# Altium PCB DesignProject_V1_1.PcbDoc (part 1 of 2)
Units mm, origin at the board's own origin, x right, y up, seen from the top; angles counter-clockwise.
Board outline 86.3 x 50.27 mm, 4 copper layers (Top Layer, MID 1, MID 2, Bottom Layer), stack 0.651 mm thick; 110 components, 93 nets, 452 pads, 167 vias.
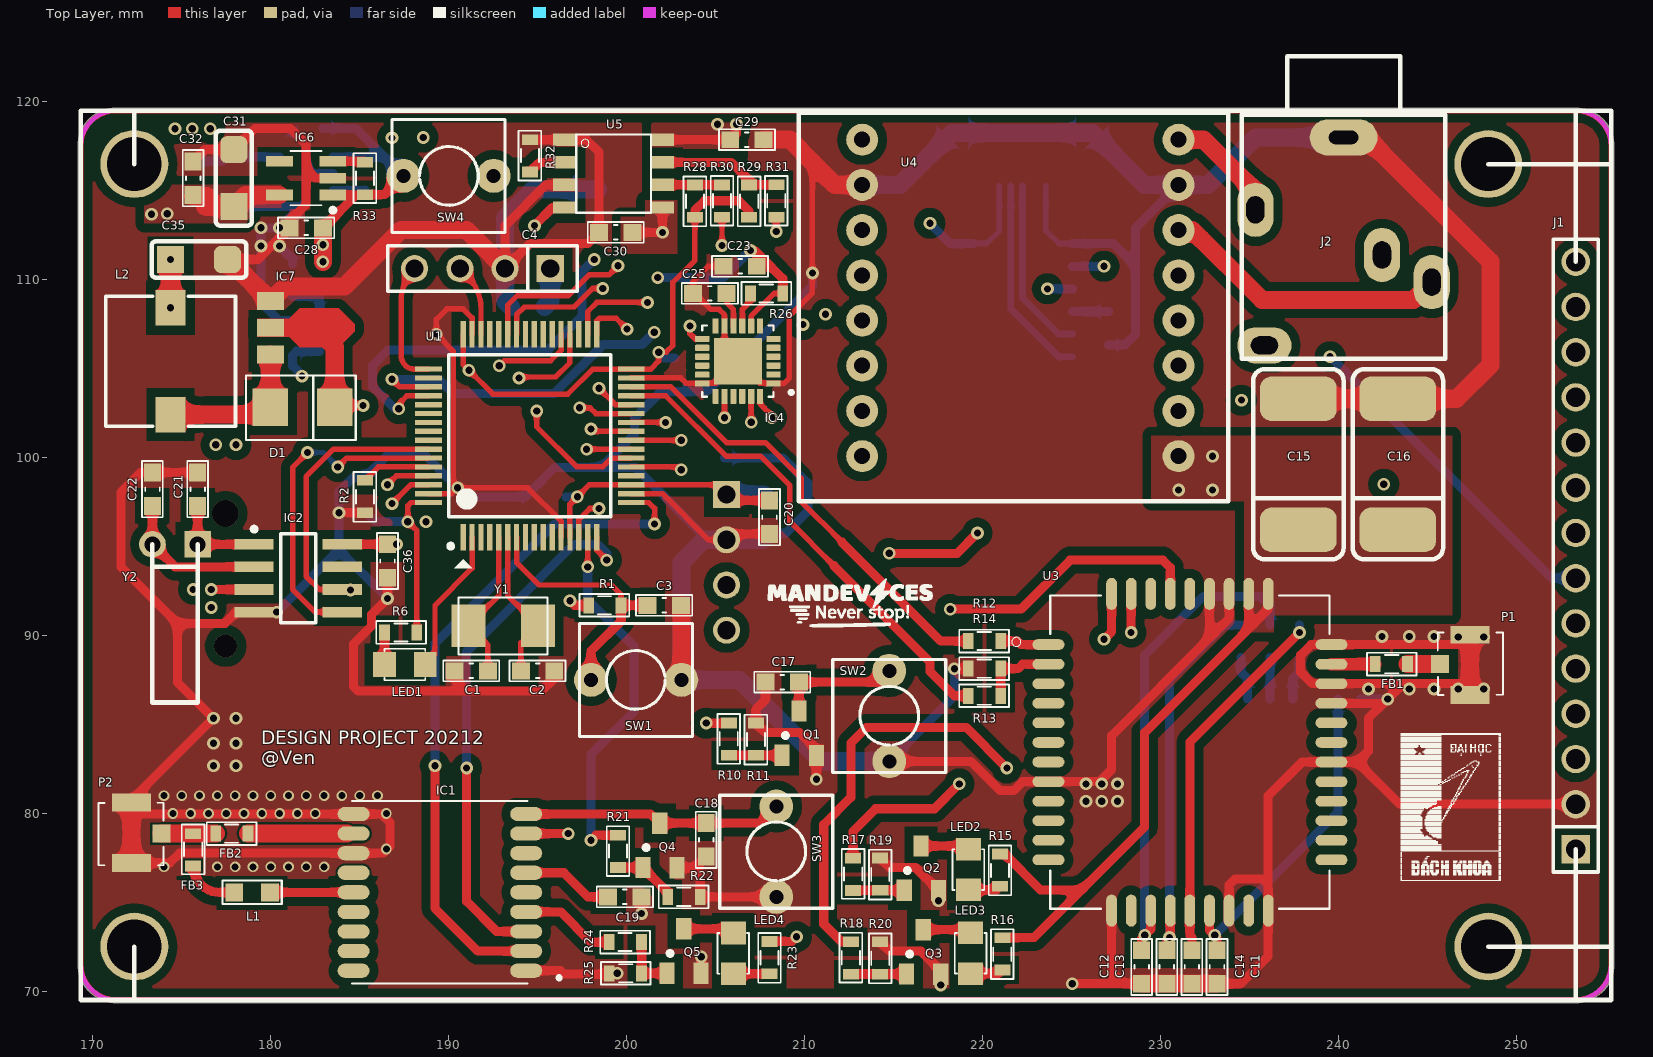
[diagram p0: Top Layer view]
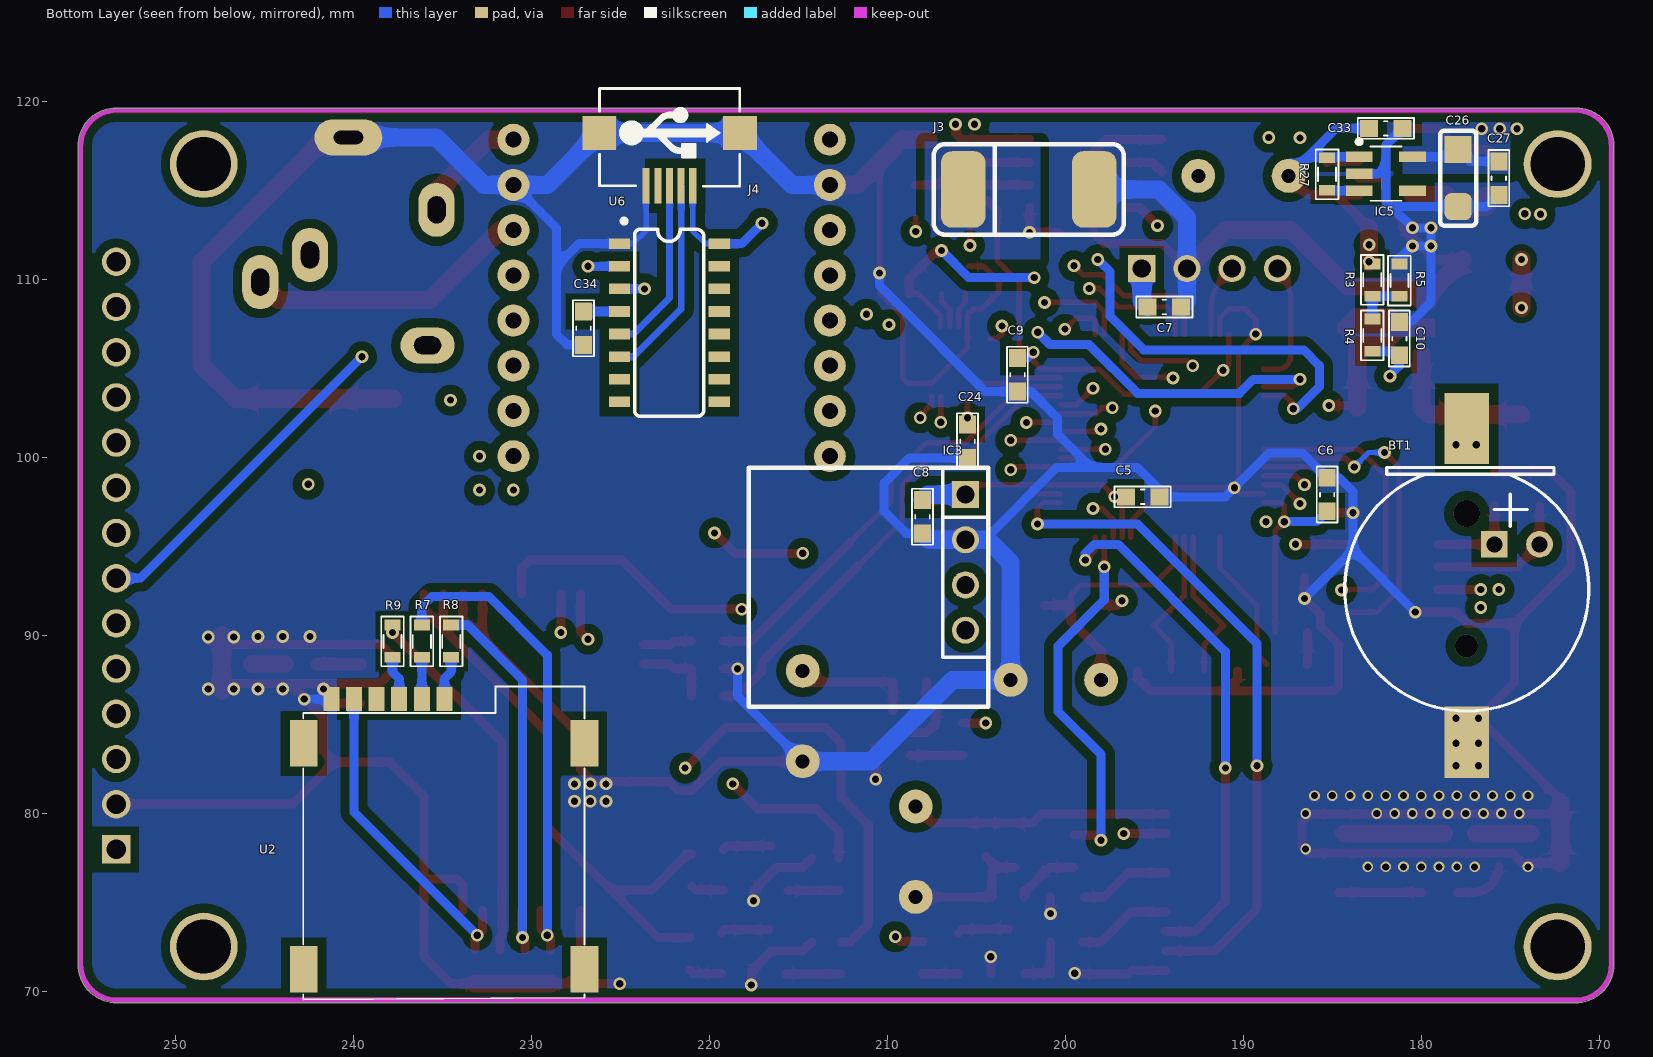
[diagram p1: Bottom Layer view, seen from below]
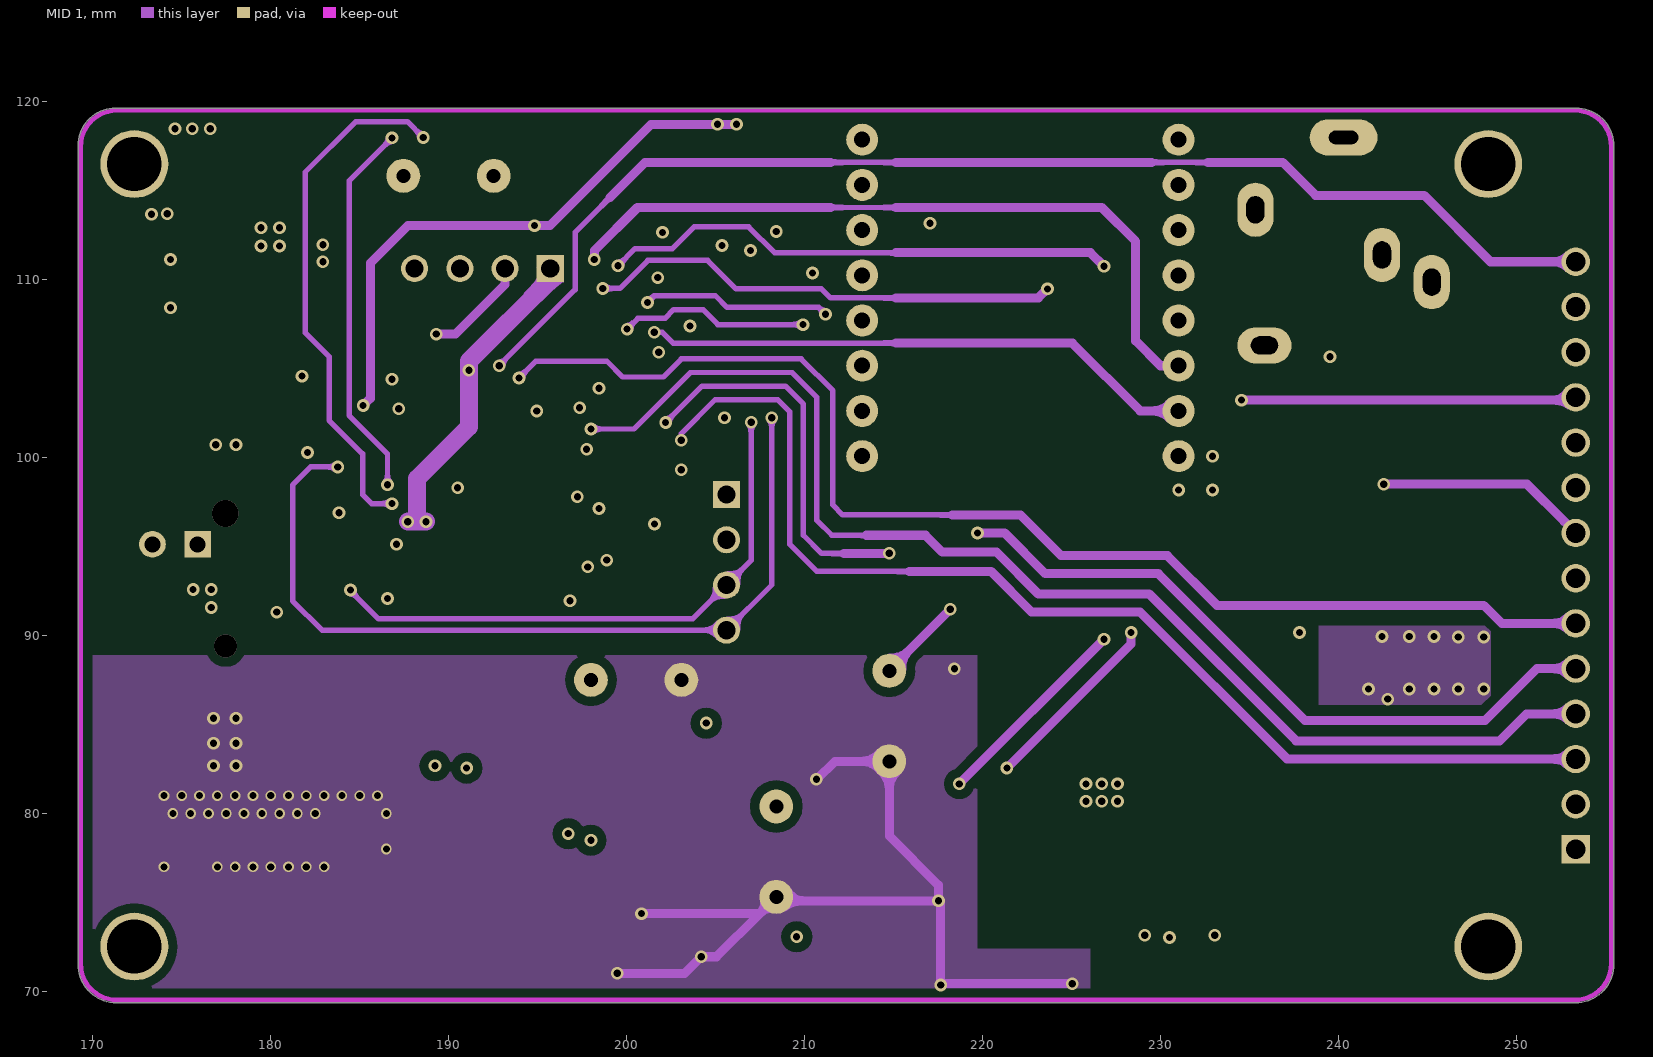
[diagram p2: MID 1]
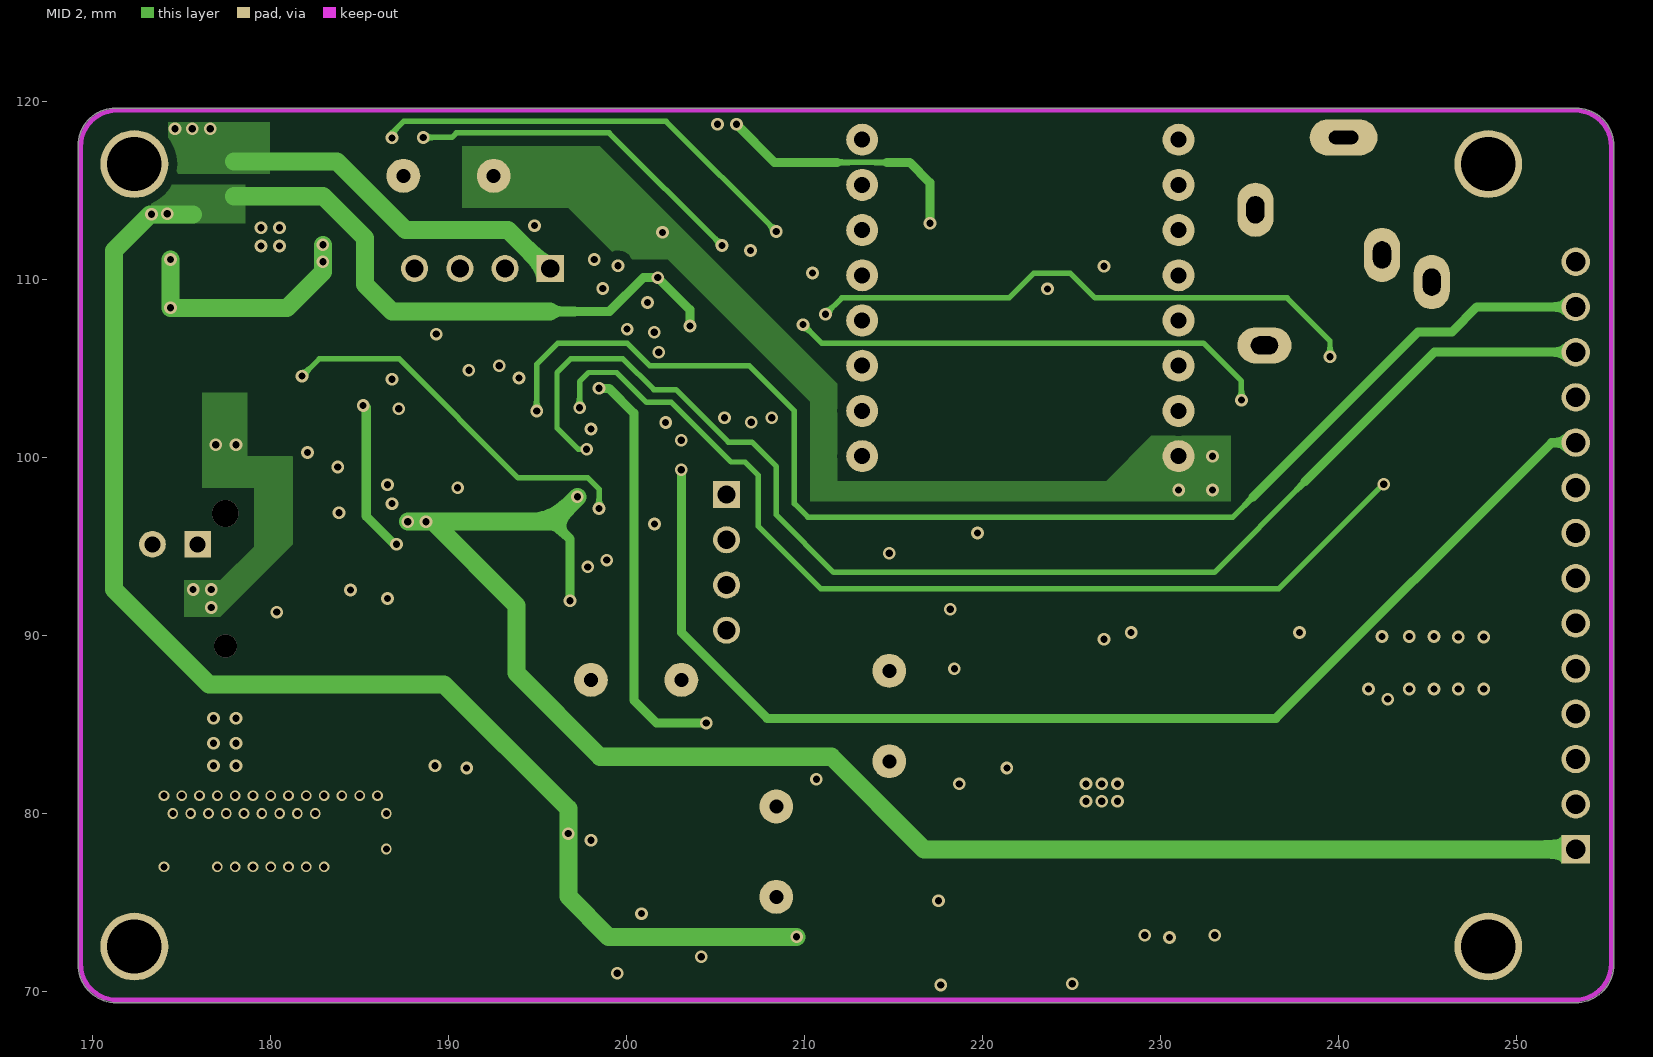
[diagram p3: MID 2]
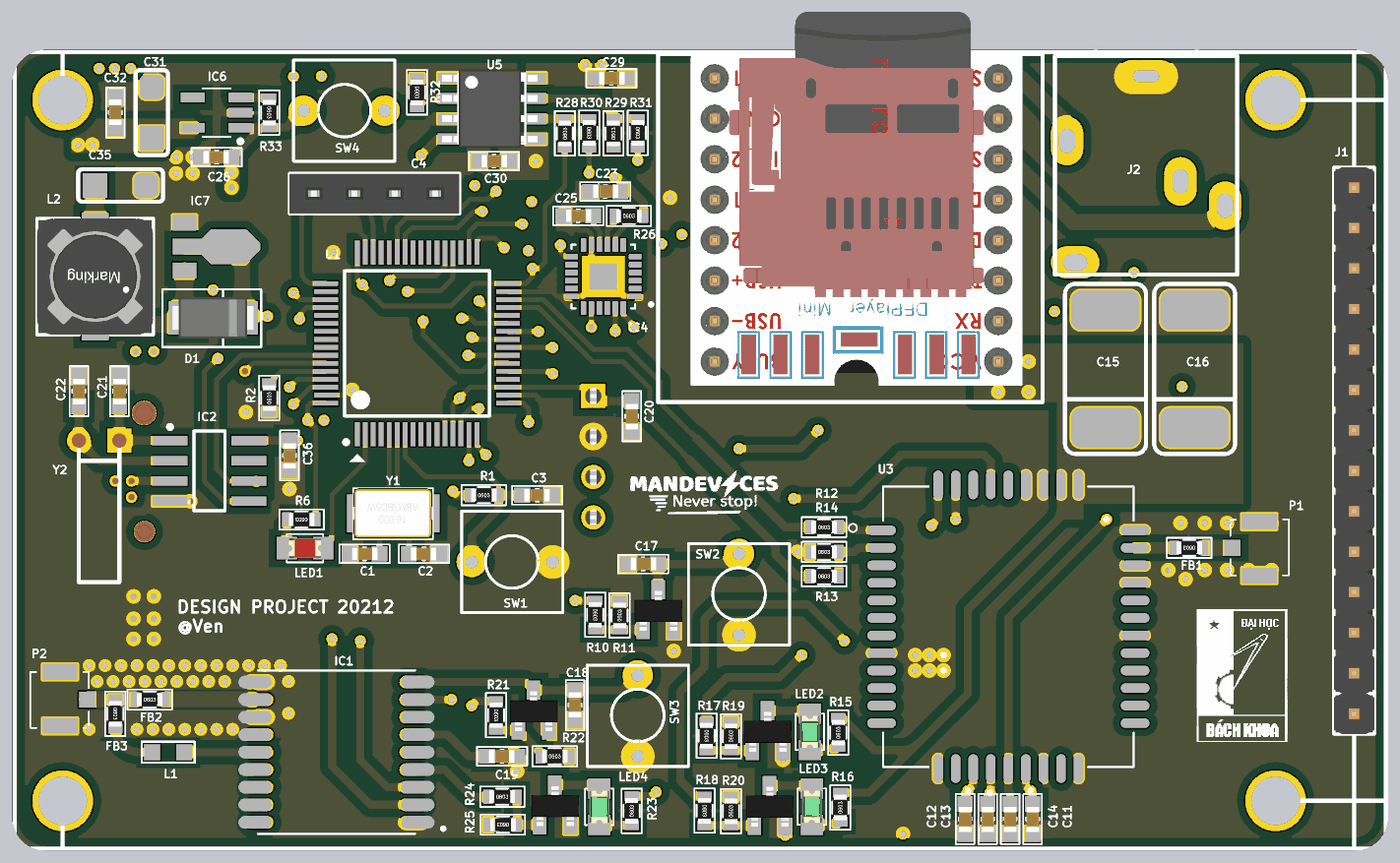
[diagram p5: 3D render of the assembled board from above, using the file's embedded part models]
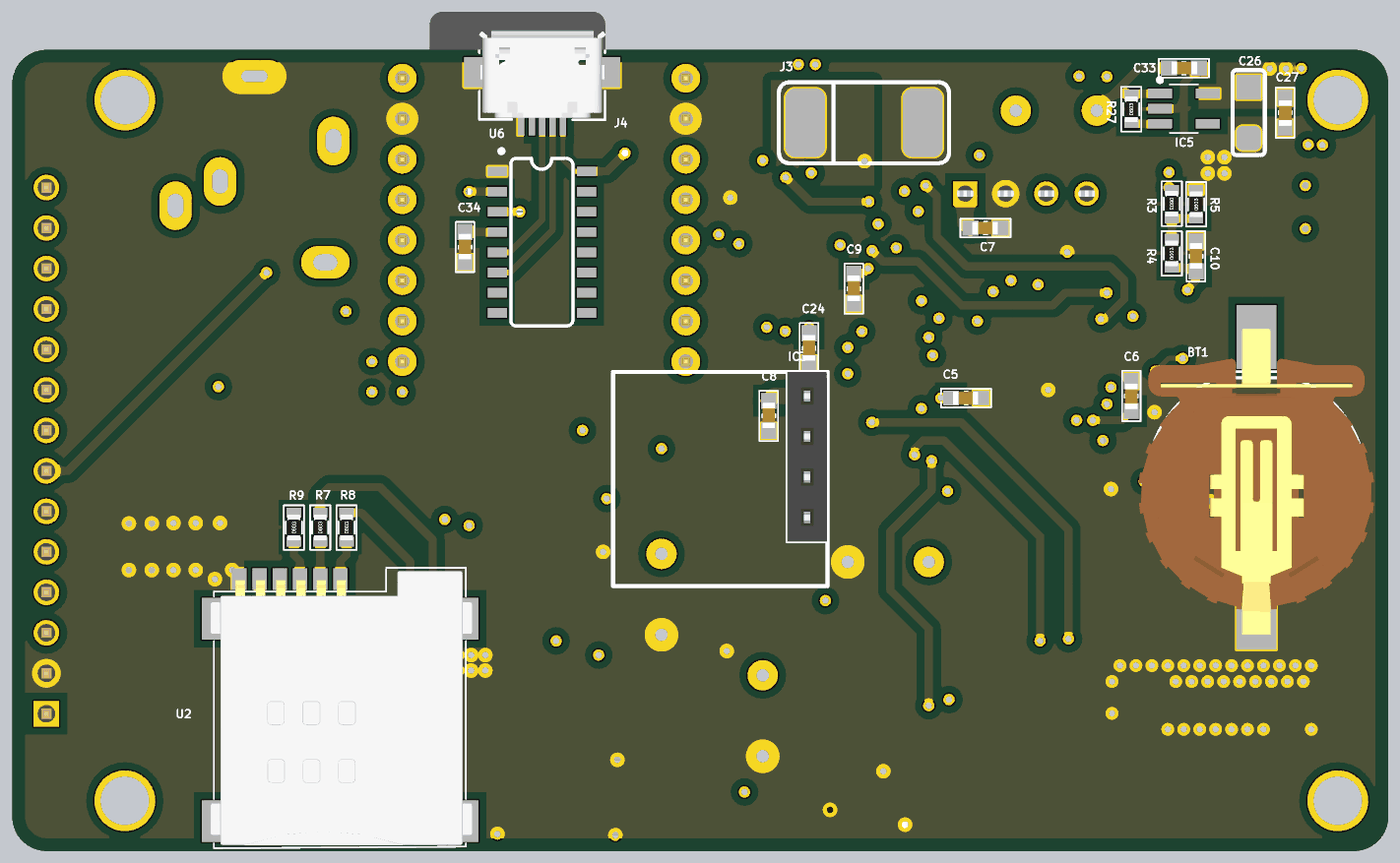
[diagram p6: 3D render of the assembled board from below, using the file's embedded part models]

## Layer stack, top to bottom
Top Solder: solder mask 0.0102, Solder Resist, Dk 3.5
Top Layer: signal copper 0.0356
Dielectric 1: prepreg 0.127, FR-4, Dk 4.2
MID 1: signal copper 0.036
Dielectric 3: core 0.254, FR-4, Dk 4.2
MID 2: signal copper 0.036
Dielectric 2: prepreg 0.127, FR-4, Dk 4.2
Bottom Layer: signal copper 0.0356
Bottom Solder: solder mask 0.0102, Solder Resist, Dk 3.5

## Board outline
169.176,71.514 169.176,117.526 cw(c171.285,117.526) 171.285,119.634 253.34,119.634 cw(c253.34,117.5) 255.474,117.5 255.474,71.526 cw(c253.314,71.526) 253.314,69.367 171.323,69.367 cw(c171.323,71.514)

## Design rules (kind name [scope] priority, off if disabled: settings)
Clearance Antena [InNamedPolygon('GND_L01_P030')] p1: gap=0.12 ignorepadtopadclearanceinfootprint=TRUE except(0: Arc-Text Arc-Hole Track-Text Track-Hole SMDPad-Text SMDPad-Hole THPad-Text THPad-Hole Via-Text Via-Hole Fill-Text Fill-Hole Poly-Text Poly-Hole Region-Text Region-Hole Text-Text Text-Hole) // Antena rule
Clearance [All] p2: gap=0.508 ignorepadtopadclearanceinfootprint=TRUE except(0: Arc-Text Arc-Hole Track-Text Track-Hole SMDPad-Text SMDPad-Hole THPad-Text THPad-Hole Via-Text Via-Hole Fill-Text Fill-Hole Poly-Text Poly-Hole Region-Text Region-Hole Text-Text Text-Hole; 0.16: Arc-Arc Arc-Track Arc-SMDPad Track-Track Track-SMDPad; 0.2: Arc-THPad Track-THPad; 0.254: Arc-Via Track-Via SMDPad-SMDPad SMDPad-THPad SMDPad-Via THPad-THPad THPad-Via Via-Via)
DiffPairsRouting [All] p1: maxlimit=0.254 minlimit=0.254 mostfreqgap=0.254 toplayer_minwidth=0.381 toplayer_maxwidth=0.381 toplayer_prefwidth=0.381 midlayer1_minwidth=0.381 midlayer1_maxwidth=0.381 midlayer1_prefwidth=0.381 midlayer2_minwidth=0.381 midlayer2_maxwidth=0.381 midlayer2_prefwidth=0.381 bottomlayer_minwidth=0.381 bottomlayer_maxwidth=0.381 bottomlayer_prefwidth=0.381 maxuncoupledlength=12.7
PolygonConnect [All] p1: connectstyle=Direct reliefconductorwidth=0.254 reliefentries=4 polygonreliefangle="90 Angle" airgapwidth=0.254
RoutingVias [All] p1: holewidth=0.406 width=0.711 viastyle="Through Hole" minholewidth=0.381 minwidth=0.508 maxholewidth=0.508 maxwidth=0.762
SolderMaskExpansion [All] p1: expansion=0.102
Width [All] p1: maxlimit=1.016 minlimit=0.305 preferedwidth=0.508
29 further rules are at their usual default settings.

## Classes and differential pairs
component class 07: C26 C27 C28 C29 C30 C31 C32 C33 C34 C35 C36 D1 IC5 IC6 IC7 J3 J4 L2 R27 R28 R29 R30 R31 R32 R33 SW4 U5 U6
component class 06: BT1 C20 C21 C22 C23 C24 C25 IC2 IC3 IC4 R26 Y2
component class 05: J2 U4
component class 04: C18 C19 FB2 FB3 IC1 L1 LED4 P2 Q4 Q5 R21 R22 R23 R24 R25 SW3
component class 03: C11 C12 C13 C14 C15 C16 C17 FB1 LED2 LED3 P1 Q1 Q2 Q3 R7 R8 R9 R10 R11 R12 R13 R14 R15 R16 R17 R18 R19 R20 SW2 U2 U3
component class 02: J1
component class 01: C1 C2 C3 C4 C5 C6 C7 C8 C9 C10 LED1 R1 R2 R3 R4 R5 R6 SW1 U1 Y1
differential pair D: +D_P -D_N

## Components (designator, comment, footprint, x,y, rotation, side; value= is the part's Value field where it differs from the comment)
BT1 "Battery3.3V" "CR1220 SMD" 177.673,92.964 r0 bottom
C1 "22pF" CAP_0603 191.267,88.011 r0 top value=33p
C2 "22pF" CAP_0603 194.996,88.011 r180 top value=33p
C3 "100nF" CAP_0603 202.108,91.694 r180 top value=33p
C4 "JP4" JP4-C1T 195.707,110.617 r180 top
C5 "100nF" CAP_0603 195.656,97.79 r0 bottom value=33p
C6 "100nF" CAP_0603 185.293,97.917 r270 bottom value=33p
C7 "100nF" CAP_0603 194.437,108.458 r0 bottom value=33p
C8 "100nF" CAP_0603 208.026,96.672 r90 bottom value=33p
C9 "100nF" CAP_0603 202.692,104.648 r90 bottom value=33p
C10 "10uF" CAP_0603 181.229,106.68 r90 bottom value=33p
C11 "100nF" CAP_0603 233.172,71.374 r270 top value=33p
C12 "22pF" CAP_0603 228.94,71.374 r270 top value=33p
C13 "22pF" CAP_0603 230.351,71.374 r270 top value=33p
C14 "22pF" CAP_0603 231.761,71.374 r270 top value=33p
C15 "470uF" CAP_7343 237.744,99.746 r90 top
C16 "470uF" CAP_7343 243.332,99.746 r90 top
C17 "100nF" CAP_0603 208.742,87.376 r0 top value=33p
C18 "100nF" CAP_0603 204.47,78.517 r90 top value=33p
C19 "100nF" CAP_0603 199.898,75.311 r180 top value=33p
C20 "100nF" CAP_0603 208.026,96.647 r270 top value=33p
C21 "10pF" CAP_0603 175.895,98.222 r270 top value=33p
C22 "10pF" CAP_0603 173.355,98.222 r270 top value=33p
C23 "100nF" CAP_0603 206.375,110.744 r0 top value=33p
C24 "2.2nF" CAP_0603 205.498,100.914 r90 bottom value=33p
C25 "100nF" CAP_0603 204.673,109.22 r0 top value=33p
C26 "220uF" CAP_TANTALUM_3216 177.927,115.697 r270 bottom
C27 "100nF" CAP_0603 175.641,115.697 r270 bottom value=33p
C28 "470nF" CAP_0603 181.991,112.903 r180 top value=33p
C29 "100nF" CAP_0603 206.756,117.856 r0 top value=33p
C30 "100nF" CAP_0603 199.39,112.649 r0 top value=33p
C31 "220uF" CAP_TANTALUM_3216 177.927,115.697 r90 top
C32 "100nF" CAP_0603 175.641,115.697 r90 top value=33p
C33 "470nF" CAP_0603 181.991,118.491 r180 bottom value=33p
C34 "100nF" CAP_0603 227.076,107.264 r90 bottom value=33p
C35 "220uF" CAP_TANTALUM_3216 175.971,111.125 r0 top
C36 "100nF" CAP_0603 186.563,94.183 r270 top value=33p
D1 "SS14" DO-214AC(SMA) 181.229,102.743 r180 top value=1N5007
FB1 "0R" RES-SMD-0603 242.989,88.389 r180 top
FB2 "0R" RES-SMD-0603 177.8,78.867 r0 top
FB3 "10R" RES-SMD-0603 175.641,77.978 r270 top
IC1 "GPS" L70 189.508,75.567 r180 top
IC2 "DS1307Z" SOIC-8 181.545,93.218 r0 top
IC3 "MAX30102" JP4-C1T 205.613,97.917 r270 bottom
IC4 "MPU6050" QFN24 206.248,105.41 r180 top
IC5 "RT9013" SOT23-5 181.991,115.945 r180 bottom
IC6 "RT9013" SOT23-5 181.991,115.697 r180 top
IC7 "Power IC" SOT-89-3 181.984,107.291 r270 top
J1 "JP14" JP14-D1T 253.332,77.978 r90 top
J2 "Jac Phone2" JAC_PHONE2 240.284,112.649 r0 top
J3 "CAP_TAN_SMD" CAP_7343 201.93,115.062 r180 bottom
J4 "USB-5" USB-M1 222.237,115.269 r180 bottom
L1 "150mH" L-0603 178.994,75.54 r0 top value="150 mH"
L2 "22uH" L-SMD-M-7.3x4.5 174.371,105.41 r0 top value="150 mH"
LED1 "LED" LED-0805-Red 186.395,88.369 r0 top value="LED 3 ly Single Colour"
LED2 "LED" LED-0805-Green 219.202,75.702 r90 top value="LED 3 ly Single Colour"
LED3 "LED" LED-0805-Green 219.329,71.003 r90 top value="LED 3 ly Single Colour"
LED4 "LED" LED-0805-Green 205.994,70.993 r90 top value="LED 3 ly Single Colour"
P1 "Antenna" IPXS 246.111,88.379 r180 top
P2 "Antenna" IPXS 173.448,78.877 r0 top
Q1 "2SC1815" SOT23 209.677,84.506 r0 top value=C1815
Q2 "2SC1815" SOT23 216.535,76.921 r0 top value=C1815
Q3 "2SC1815" SOT23 216.662,72.222 r0 top value=C1815
Q4 "2SC1815" SOT23 201.854,78.207 r0 top value=C1815
Q5 "2SC1815" SOT23 203.2,72.263 r0 top value=C1815
R1 "10k" RES-SMD-0603 198.755,91.694 r0 top
R2 "100k" RES-SMD-0603 185.293,97.79 r90 top
R3 "20k" RES-SMD-0603 182.753,109.982 r270 bottom
R4 "100R" RES-SMD-0603 182.753,106.859 r90 bottom
R5 "47k" RES-SMD-0603 181.229,109.944 r90 bottom
R6 "1k" RES-SMD-0603 187.322,90.17 r180 top
R7 "51R" RES-SMD-0603 236.158,89.662 r90 bottom
R8 "51R" RES-SMD-0603 234.507,89.662 r90 bottom
R9 "51R" RES-SMD-0603 237.809,89.662 r90 bottom
R10 "4k7" RES-SMD-0603 205.74,84.188 r270 top
R11 "47k" RES-SMD-0603 207.264,84.15 r90 top
R12 "1k" RES-SMD-0603 220.091,89.685 r0 top
R13 "1k" RES-SMD-0603 220.091,86.611 r0 top
R14 "5k6" RES-SMD-0603 220.091,88.135 r0 top
R15 "1k" RES-SMD-0603 220.98,76.794 r90 top
R16 "1k" RES-SMD-0603 221.107,72.095 r90 top
R17 "4k7" RES-SMD-0603 212.725,76.598 r270 top
R18 "4k7" RES-SMD-0603 212.598,71.899 r270 top
R19 "47k" RES-SMD-0603 214.249,76.565 r90 top
R20 "47k" RES-SMD-0603 214.249,71.861 r90 top
R21 "4k7" RES-SMD-0603 199.517,77.889 r270 top
R22 "47k" RES-SMD-0603 203.2,75.311 r0 top
R23 "1k" RES-SMD-0603 208.026,71.882 r90 top
R24 "4k7" RES-SMD-0603 199.911,72.771 r0 top
R25 "47k" RES-SMD-0603 199.949,71.018 r180 top
R26 "10k" RES-SMD-0603 207.848,109.22 r0 top
R27 "10k" RES-SMD-0603 185.293,115.913 r90 bottom
R28 "100k" RES-SMD-0603 203.835,114.389 r90 top
R29 "100k" RES-SMD-0603 206.883,114.389 r90 top
R30 "1k" RES-SMD-0603 205.359,114.427 r270 top
R31 "1k" RES-SMD-0603 208.407,114.427 r270 top
R32 "1k2" RES-SMD-0603 194.564,116.967 r270 top
R33 "10k" RES-SMD-0603 185.293,115.697 r270 top
SW1 "SW" SW2 197.993,87.503 r0 top value="SW chip 2 pin"
SW2 "SW" SW2 214.757,88.011 r270 top value="SW chip 2 pin"
SW3 "SW" SW2 208.407,80.391 r270 top value="SW chip 2 pin"
SW4 "SW" SW2 192.532,115.824 r180 top value="SW chip 2 pin"
U1 "STM32" QFP50P1200X1200X160-64N 194.564,101.219 r90 top
U2 "SIM-KF016" "Sim Socket" 234.823,78.74 r180 bottom value="Sim holder"
U3 "SIM800" SIM800C 231.648,83.439 r0 top
U4 "DFPlayer" DFPlayer 222.377,108.966 r180 top
U5 "TP4056" TP4056 199.263,115.951 r0 top
U6 "CH340C" SO016 222.253,107.569 r270 bottom
Y1 "8MHz" "XTAL 5032 SMD" 193.04,90.551 r180 top
Y2 "32.768KHz" XTAL32K 175.895,95.123 r180 top

## Footprints (in the part's own frame and the unit in brackets; to place one, negate y for a bottom-side part, rotate by r counter-clockwise, add the part's x,y. Pads: shape width x height; smd on the part's side, far side on the other; paste and mask are expansions set on the pad)
CAP_0603 [mm]
  rect 1x0.95 smd mask+0.076: 1(-0.94,0) 2(0.94,0)
  silkscreen extent -1.57,-0.58 1.57,0.58, body extent -0.77,-0.39 0.83,0.41, height 0.9
CAP_7343 [mm] "Capacitor Tantalum 7343"
  rrect50% 2.5x4.3 smd: 1(-3.81,0) 2(3.556,0)
  silkscreen extent -5.46,-2.54 5.21,2.54, body extent -3.81,-2.29 3.56,2.29, height 3
CAP_TANTALUM_3216 [mil]
  rect 60x60 smd: 1(-62.99,0)
  rrect50% 60x60 smd: 2(62.99,0)
  silkscreen extent -105,-40 105,40, body extent -67,-35 67,35, height 67
"CR1220 SMD" [mm] "CR1220 SMD"
  rect 2.5x4 smd: 1(-0.229,-8.661) 2(-0.229,8.966)
  silkscreen extent -7.08,-6.48 6.63,7.21, body extent -7.6,-9.18 7.15,10.02, height 4.55
DFPlayer [mm] "DFPlayer"
  round 1.8 hole 0.9: 1(-8.636,8.89) 2(-8.636,6.35) 3(-8.636,3.81) 4(-8.636,1.27) 5(-8.636,-1.27) 6(-8.636,-3.81) 7(-8.636,-6.35) 8(-8.636,-8.89) 9(9.144,-8.89) 10(9.144,-6.35) 11(9.144,-3.81) 12(9.144,-1.27) 13(9.144,1.27) 14(9.144,3.81) 15(9.144,6.35) 16(9.144,8.89)
  silkscreen extent -11.43,-10.41 12.7,11.43, body extent -10.15,-13.06 10.65,10.4, height 6
DO-214AC(SMA) [mm] "DO-214AC Diode Smallest Size"
  rect 2x2.1 smd: 1(1.245,-0.076) 2(-2.367,-0.076)
  silkscreen extent -3.56,-1.86 2.62,1.76, body extent -3.13,-1.38 2.07,1.22, height 2.4
IPXS [mm] "SOT 23 _ 1-3-2"
  rect 1x1 smd: 1(0.415,-0.01)
  rect 2.2x1 smd: 2(-1.273,-1.658) 3(-1.278,1.73)
  silkscreen extent -3.13,-1.79 0.53,1.73, body extent -2.83,-1.49 0.31,1.56, height 1.55
JAC_PHONE2 [mil] "Jac Phone Stereo"
  oval 80x120 hole 40 slot 60 at 90 deg: 1(-195,50) 3(85,-50) 4(195,-110)
  oval 120x80 hole 40 slot 60 at 0 deg: 2(-175,-250)
  oval 150x80 hole 30 slot 65 at 0 deg: 5(0,210)
  silkscreen extent -225,-280 225,390
JP4-C1T [mm] "4 row, straight, gold plating"
  rect 1.52x1.52 hole 1.02: 1(0,0)
  round 1.52 hole 1.02: 2(2.54,0) 3(5.08,0) 4(7.62,0)
  silkscreen extent -1.52,-1.27 9.14,1.27, body extent -1.52,-1.25 9.14,1.25, height 8.51
JP14-D1T [mm] "14 pins, 1 row, straight, gold plating"
  rect 1.6x1.6 hole 1.1: 1(0,0)
  round 1.6 hole 1.1: 2(2.54,0) 3(5.08,0) 4(7.62,0) 5(10.16,0) 6(12.7,0) 7(15.24,0) 8(17.78,0) 9(20.32,0) 10(22.86,0) 11(25.4,0) 12(27.94,0) 13(30.48,0) 14(33.02,0)
  silkscreen extent -1.27,-1.27 34.29,1.27, body extent -1.27,-1.27 34.29,1.27, height 8.54
L70 [mm]
  oval 1.8x0.8 smd paste-2: 1(-4.85,4.4) 2(-4.85,3.3) 3(-4.85,2.2) 4(-4.85,1.1) 5(-4.85,0) 6(-4.85,-1.1) 7(-4.85,-2.2) 8(-4.85,-3.3) 9(-4.85,-4.4) 10(4.85,-4.4) 11(4.85,-3.3) 12(4.85,-2.2) 13(4.85,-1.1) 14(4.85,0) 15(4.85,1.1) 16(4.85,2.2) 17(4.85,3.3) 18(4.85,4.4)
  silkscreen extent -6.8,-5.13 4.92,5.13
L-0603 [mm] "Chip Capacitor; Body 1.6 x 0.8 mm (LxW typ)"
  rect 1x1 smd: 1(-1.041,0.025) 2(0.965,0.025)
  silkscreen extent -1.7,-0.64 1.63,0.69, body extent -0.83,-0.38 0.78,0.43, height 0.51
L-SMD-M-7.3x4.5 [mm] "WE-PDA SMD Shielded Power Inductor, 7345"
  rect 1.7x2 smd: 1(0,3) 2(0,-3)
  silkscreen extent -3.65,-3.65 3.65,3.65, body extent -3.65,-3.65 3.65,3.65, height 4.05
LED-0805-Green [mil]
  rect 50x55 smd: 1(0,0) 2(90,0)
  silkscreen extent 0,-35 90,35, body extent 5,-25 85,25, height 43
LED-0805-Red [mil]
  rect 50x55 smd: 1(0,0) 2(90,0)
  silkscreen extent 0,-35 90,35, body extent 5,-25 85,25, height 43
QFN24 [mm]
  rrect25% 0.8x0.35 smd: 1(-2,1.25) 2(-2,0.75) 3(-2,0.25) 4(-2,-0.25) 5(-2,-0.75) 6(-2,-1.25) 13(2,-1.25) 14(2,-0.75) 15(2,-0.25) 16(2,0.25) 17(2,0.75) 18(2,1.25)
  rrect25% 0.35x0.85 smd: 7(-1.25,-1.975) 8(-0.75,-1.975) 9(-0.25,-1.975) 10(0.25,-1.975) 11(0.75,-1.975) 12(1.25,-1.975) 19(1.25,1.975) 20(0.75,1.975) 21(0.25,1.975) 22(-0.25,1.975) 23(-0.75,1.975) 24(-1.25,1.975)
  rect 2.7x2.6 smd paste-2: 25(0,0)
  silkscreen extent -3.1,-2 2,2
QFP50P1200X1200X160-64N [mm] "QFP,0.50mm pitch,square;16 pin X 16 pin,10.00mm X 10.00mm X 1.60mm H body"
  rect 1.5x0.3 smd: 1(-5.7,3.75) 2(-5.7,3.25) 3(-5.7,2.75) 4(-5.7,2.25) 5(-5.7,1.75) 6(-5.7,1.25) 7(-5.7,0.75) 8(-5.7,0.25) 9(-5.7,-0.25) 10(-5.7,-0.75) 11(-5.7,-1.25) 12(-5.7,-1.75) 13(-5.7,-2.25) 14(-5.7,-2.75) 15(-5.7,-3.25) 16(-5.7,-3.75) 33(5.7,-3.75) 34(5.7,-3.25) 35(5.7,-2.75) 36(5.7,-2.25) 37(5.7,-1.75) 38(5.7,-1.25) 39(5.7,-0.75) 40(5.7,-0.25) 41(5.7,0.25) 42(5.7,0.75) 43(5.7,1.25) 44(5.7,1.75) 45(5.7,2.25) 46(5.7,2.75) 47(5.7,3.25) 48(5.7,3.75)
  rect 0.3x1.5 smd: 17(-3.75,-5.7) 18(-3.25,-5.7) 19(-2.75,-5.7) 20(-2.25,-5.7) 21(-1.75,-5.7) 22(-1.25,-5.7) 23(-0.75,-5.7) 24(-0.25,-5.7) 25(0.25,-5.7) 26(0.75,-5.7) 27(1.25,-5.7) 28(1.75,-5.7) 29(2.25,-5.7) 30(2.75,-5.7) 31(3.25,-5.7) 32(3.75,-5.7) 49(3.75,5.7) 50(3.25,5.7) 51(2.75,5.7) 52(2.25,5.7) 53(1.75,5.7) 54(1.25,5.7) 55(0.75,5.7) 56(0.25,5.7) 57(-0.25,5.7) 58(-0.75,5.7) 59(-1.25,5.7) 60(-1.75,5.7) 61(-2.25,5.7) 62(-2.75,5.7) 63(-3.25,5.7) 64(-3.75,5.7)
  silkscreen extent -7.44,-4.55 4.55,4.57
RES-SMD-0603 [mm]
  rect 0.6x0.9 smd: 1(-0.889,0) 2(0.927,0)
  silkscreen extent -1.4,-0.64 1.4,0.64, body extent -0.8,-0.4 0.8,0.4, height 0.43
SIM800C [mm]
  oval 1.8x0.6 smd: 1(-7.95,6.05) 2(-7.95,4.95) 3(-7.95,3.85) 4(-7.95,2.75) 5(-7.95,1.65) 6(-7.95,0.55) 7(-7.95,-0.55) 8(-7.95,-1.65) 9(-7.95,-2.75) 10(-7.95,-3.85) 11(-7.95,-4.95) 12(-7.95,-6.05) 22(7.95,-6.05) 23(7.95,-4.95) 24(7.95,-3.85) 25(7.95,-2.75) 26(7.95,-1.65) 27(7.95,-0.55) 28(7.95,0.55) 29(7.95,1.65) 30(7.95,2.75) 31(7.95,3.85) 32(7.95,4.95) 33(7.95,6.05)
  oval 0.6x1.8 smd: 13(-4.4,-8.9) 14(-3.3,-8.9) 15(-2.2,-8.9) 16(-1.1,-8.9) 17(0,-8.9) 18(1.1,-8.9) 19(2.2,-8.9) 20(3.3,-8.9) 21(4.4,-8.9) 34(4.4,8.9) 35(3.3,8.9) 36(2.2,8.9) 37(1.1,8.9) 38(0,8.9) 39(-1.1,8.9) 40(-2.2,8.9) 41(-3.3,8.9) 42(-4.4,8.9)
  silkscreen extent -10,-8.8 7.85,8.8
"Sim Socket" [mm] "Socket Micro Sim 6P Push"
  rect 0.9x1.35 smd: 1(-5.145,7.685) 2(-2.605,7.685) 3(-0.065,7.685) 5(-6.415,7.685) 6(-3.875,7.685) 7(-1.335,7.685)
  rect 1.56x2.61 smd: ""(-7.975,-7.5) ""(-7.975,5.2) ""(7.805,-7.5) ""(7.805,5.2)
  silkscreen extent -8,-9.2 7.8,8.4, body extent -8.2,-9 8.2,8.2, height 1.35
SO016 [mm]
  rect 0.6x1.2 smd: 1(-4.445,-2.8) 2(-3.175,-2.8) 3(-1.905,-2.8) 4(-0.635,-2.8) 5(0.635,-2.8) 6(1.905,-2.8) 7(3.175,-2.8) 8(4.445,-2.8) 9(4.445,2.8) 10(3.175,2.8) 11(1.905,2.8) 12(0.635,2.8) 13(-0.635,2.8) 14(-1.905,2.8) 15(-3.175,2.8) 16(-4.445,2.8)
  silkscreen extent -5.84,-2.67 5.26,1.95
SOIC-8 [mm] "SOIC, 8-Leads, Body 5,0x4,0mm (max), Pitch 1,27mm, IPC Medium Density"
  rect 2.2x0.6 smd: 1(-2.475,1.905) 2(-2.475,0.635) 3(-2.475,-0.635) 4(-2.475,-1.905) 5(2.475,-1.905) 6(2.475,-0.635) 7(2.475,0.635) 8(2.475,1.905)
  silkscreen extent -2.6,-2.5 0.98,2.88, body extent -3.2,-2.5 3.2,2.5, height 1.75
SOT23 [mm] "SOT 23 _ 1-3-2"
  rect 0.85x1.2 smd: 1(-0.94,-1.245) 2(0.985,-1.25) 3(0.005,1.25)
  silkscreen extent -0.88,-0.25 -0.64,0, body extent -1.47,-1.33 1.53,1.17, height 1.06
SOT23-5 [mm] "SOT23, 5-Leads, Body 3.0x3.0mm (max), Pitch 0.95mm, IPC Medium Density"
  rect 1.5x0.6 smd: 1(-1.5,0.95) 2(-1.5,0) 3(-1.5,-0.95) 4(1.5,-0.95) 5(1.5,0.95)
  silkscreen extent -1.63,-1.52 0.87,1.92, body extent -1.75,-1.52 1.75,1.53, height 1.45
SOT-89-3 [mm]
  rect 1x1.5 smd: 1(-1.5,-2) 3(1.5,-2)
  rect 1x1.5 smd paste-2 mask+0: 2(0,-2)
  Top Layer region: 1.1,1.85 1.1,-0.35 0.5,-0.95 0.5,-2.75 -0.5,-2.75 -0.5,-0.95 -1.1,-0.35 -1.1,1.85 -0.2,2.75 0.2,2.75
SW2 [mil] "SW button 2pin, 250x 250 mil"
  round 75 hole 31: 1(0,0) 2(200,0)
  silkscreen extent -25,-125 225,125
TP4056 [mm]
  rect 1.3x0.7 smd: 1(-2.75,1.905) 2(-2.75,0.635) 3(-2.75,-0.635) 4(-2.75,-1.905) 5(2.75,-1.905) 6(2.75,-0.635) 7(2.75,0.635) 8(2.75,1.905)
  rect 2.3x3.2 on Mech1: GND(-0.025,0)
  silkscreen extent -2.1,-2.2 2.1,2.2, body extent -3.13,-2.45 2.87,2.45, height 1.75
USB-M1 [mm]
  rect 0.4x2 smd: 1(1.3,0) 2(0.65,0) 3(0,0) 4(-0.65,0) 5(-1.321,0)
  rect 1.9x1.9 smd: 5(-3.95,2.968) 5(3.95,2.968)
  silkscreen extent -3.94,-0.03 3.94,5.46, body extent -3.98,0.11 4,5.54, height 2.71
XTAL32K [mm] "Connector; Header; 2 Position"
  rect 1.5x1.5 hole 0.9: 1(0,0)
  round 1.5 hole 0.9: 2(2.54,0)
  silkscreen extent 0,0 2.54,8.89
"XTAL 5032 SMD" [mm] "SMD 5032 XTAL Footprint"
  rect 1.9x2.4 smd: 1(-1.981,0) 2(1.93,0)
  silkscreen extent -2.51,-1.57 2.49,1.63, body extent -2.5,-1.6 2.5,1.6, height 1.31

## Part data
BT1: "Multicell Battery", LatestRevisionDate=17-Jul-2002, LatestRevisionNote="Re-released for DXP Platform.", PackageReference=BAT-2, Published=24-Mar-1999, Publisher="Altium Limited"
C1 C2 C3 C5 C6 C7 C8 C9 C10 C11 C12 C13 C14 C17 C18 C19 C20 C21 C22 C23 C24 C25 C27 C28 C29 C30 C32 C33 C34 C36: library part CapSMD, "Capacitor", LatestRevisionDate=17-Jul-2002, LatestRevisionNote="Re-released for DXP Platform.", PackageReference=RAD-0.3, Published=8-Jun-2000, Publisher="Altium Limited"
C4: "WR-PHD 2.54 mm Angled Socket Header", Manufacturer="Würth Elektronik eiSos GmbH", partNo=613004143121, ComponentLink1 Description=Manufacturer, ComponentLink1URL=http://www.we-online.com, ComponentLink2 Description=Datasheet, ComponentLink2URL=http://katalog.we-online.de/em/datasheet/6130xx143121.pdf, Created by="Karrer Zheng", Created Date="29 March 2013", NoPins=04
C15 C16 C26 C31 C35: library part "Cap Pol", "Polarized Capacitor (Axial)", LatestRevisionDate=17-Jul-2002, LatestRevisionNote="Re-released for DXP Platform.", PackageReference=POLAR0.8, Published=8-Jun-2000, Publisher="Altium Limited"
D1: library part "Diode SMD", Code - JEDEC=DO-214-AB, Published=8-Jun-2000, Publisher="Altium Limited", Revision="July-2002: Re-released for DXP Platform."
FB1 FB2 FB3 R1 R2 R3 R4 R5 R6 R7 R8 R9 R10 R11 R12 R13 R14 R15 R16 R17 R18 R19 R20 R21 R22 R23 R24 R25 R26 R27 R28 R29 R30 R31 R32 R33: library part "Resistor - SMD", "Resistor", Manufacturer="Generic Components", Class=Passive, Published=08/06/2000, Publisher="Altium Hobart Technology Centre"
IC1: library part L70, "Quectel GPS IC"
IC2: "0x68"
IC3: library part JP4, "0x57", Manufacturer="Würth Elektronik eiSos GmbH", partNo=613004143121, ComponentLink1 Description=Manufacturer, ComponentLink1URL=http://www.we-online.com, ComponentLink2 Description=Datasheet, ComponentLink2URL=http://katalog.we-online.de/em/datasheet/6130xx143121.pdf, Created by="Karrer Zheng", Created Date="29 March 2013", NoPins=04
IC4: library part MPU6050_Chip, "3-axis gyroscope, 3-axis accelerometer / 0x69"
IC5 IC6: "RT9013-33GB IC REG LINEAR 3.3V 500mA SOT23-5"
IC7: library part CE8301A, "Boost 5V IC 500mA"
J1: "WR-PHD 2.54 mm Angled Socket Header", Manufacturer="Würth Elektronik eiSos GmbH", partNo=613014143121, ComponentLink1 Description=Manufacturer, ComponentLink1URL=http://www.we-online.com, ComponentLink2 Description=Datasheet, ComponentLink2URL=http://katalog.we-online.de/em/datasheet/6130xx143121.pdf, Created by="Karrer Zheng", Created Date="29 March 2013", NoPins=14
J2: "Jac Phone Stereo", Creat by=VanDungEvn@Gmail.com
J3: "Polazied Tantalum Capacitor"
J4: Manufacturer=FCI, Manufacturer Part Number=10118193-0001LF, Supplier Part Number 1=609-4616-1-ND, .Checked PCB=RF, .Checked SCH=MM, .Creator=MM, Category="Connectors, Interconnects", ComponentLink1Description=http://portal.fciconnect.com/Comergent//fci/drawing/10118193.pdf, ComponentLink1URL=http://portal.fciconnect.com/Comergent//fci/drawing/10118193.pdf, Connector Type="USB - micro B", Features="Shielded, Solder Retention", Gender=Receptacle, Ingress Protection=-, Mounting Type="Surface Mount, Right Angle, Horizontal", Number of Contacts=5, Packaging="Cut Tape (CT)", Pricing 1="1=0.46, 10=0.433, 25=0.3712, 50=0.3156, 100=0.3032, 250=0.27224, 500=0.25988 (USD)", RoHS="RoHS Compliant", Specifications="USB 2.0", Stock 1=28642, Supplier 1=Digi-Key
L1 L2: library part L1, "Inductor"
LED1 LED2 LED3 LED4: "LED Single colour Green and Red"
P1 P2: library part IPXSx66, "Antenna GSM GPS"
Q1 Q2 Q3 Q4 Q5: "NPN 600mW, ECB", =C2383
SW1 SW2 SW3 SW4: library part SW2, "Switch button 2 pin"
U1: library part STM32F103RCT6, "STM32 ARM-based 32-bit MCU 72MHz 256KB"
U2: library part "Sim holder", "SIM Card Holder KF-016"
U3: library part SIM800C, "SIM800C IC"
U5: "Complete single cell Li-Ion battery with a constant current / constant voltage linear charger"
U6: "USB to serial chip CH340", Package=Package, Availability=Unavailable, Check_prices=https://www.snapeda.com/parts/CH340C/WCH/view-part/5428851/?ref=eda, MF=WCH, MP=CH340C, Price=None, SnapEDA_Link=https://www.snapeda.com/parts/CH340C/WCH/view-part/5428851/?ref=snap
Y1: library part XTAL, "Crystal Oscillator", LatestRevisionDate=17-Jul-2002, LatestRevisionNote="Re-released for DXP Platform.", PackageReference=R38, Published=8-Jun-2000, Publisher="Altium Limited"
Y2: library part XTAL/32KHz, "Crystal Oscillator", LatestRevisionDate=17-Jul-2002, LatestRevisionNote="Re-released for DXP Platform.", PackageReference=R38, Published=8-Jun-2000, Publisher="Altium Limited"

## Free pads (board coordinates)
  round 3.81 hole 3.048: 0(172.339,72.517) 0(172.339,116.488) 0(248.412,72.517) 0(248.412,116.488)

## Via types
v1: diameter 0.711, hole 0.406, Top Layer to Bottom Layer, 133 vias
v2: diameter 0.6, hole 0.4, Top Layer to Bottom Layer, 32 vias
v3: diameter 1.3, hole 1.3, Top Layer to Bottom Layer, 1 vias
v4: diameter 1.5, hole 1.5, Top Layer to Bottom Layer, 1 vias

## Nets (pads, with @x,y where several pads share a name; then routed paths per layer and width w, separated by ;. In a path a pad name is that pad's centre, name@x,y a point inside that pad or via, vN(x,y) a via of type N, cw(c..) or ccw(c..) an arc to the next point about the centre after c; other vN are vias at no path point)
3V3: C4.1 C5.2 C6.2 C7.2 C8.2 C9.2 C20.1 C26.1 C27.1 IC3.1 IC5.5 J1.1 R1.1 R6.1 R28.1 R29.1 U1.13 U1.19 U1.32 U1.48 U1.64 | length 192.8
  Top Layer w0.305: R6.1@188.211,90.17 188.211,95.888 v1(187.706,96.393) 187.706,97.282 187.893,97.469 U1.64@188.864,97.469 ; U1.48@190.814,106.919 190.814,105.223 v1(191.135,104.902) 192.481,103.556 196.691,103.556 198.104,104.969 U1.32@200.264,104.969 201.362,104.969 201.803,105.41 v1(201.803,105.918) 202.221,105.918 202.59,106.287 202.59,109.837 203.835,111.081 R28.1@203.835,113.5 ; U1.13@196.814,95.519 196.814,97.373 v1(197.231,97.79) 197.91,98.469 U1.19@200.264,98.469 205.061,98.469 IC3.1@205.613,97.917
  Top Layer w0.508: v1(196.814,91.948) 197.068,91.694 R1.1@197.866,91.694 ; R28.1@203.835,113.5 203.835,113.881 204.381,114.427 206.299,114.427 206.883,113.843 R29.1@206.883,113.5 ; IC3.1@205.613,97.917 205.943,97.587 C20.1@208.026,97.587
  MID 1 w1.016: v1(187.706,96.393) v1(188.722,96.393) ; 188.214,96.901 188.214,98.806 191.135,101.727 v1(191.135,104.902) 191.135,105.41 195.707,109.982 C4.1@195.707,110.617
  MID 2 w0.508: 195.834,96.393 196.814,95.413 v1(196.814,91.948)
  MID 2 w1.016: 177.927,116.637 183.718,116.637 187.579,112.776 193.345,112.776 195.504,110.617 C4.1@195.707,110.617 ; v1(187.706,96.393) v1(188.722,96.393) 189.103,96.393 ; v1(197.231,97.79) 195.834,96.393 189.103,96.393 ; J1.1@253.332,77.978 216.713,77.978 211.506,83.185 198.501,83.185 193.802,87.884 193.802,91.694 189.103,96.393
  Bottom Layer w0.508: C27.1@175.641,116.637 177.267,116.637 C26.1@177.927,117.297 178.329,116.895 IC5.5@180.491,116.895 ; C6.2@185.293,96.977 185.877,96.393 v1(187.706,96.393) ; C5.2@196.596,97.79 v1(197.231,97.79) ; v1(201.803,105.918) 202.133,105.588 C9.2@202.692,105.588
  Bottom Layer w1.016: C7.2@195.377,108.458 195.707,108.788 C4.1@195.707,110.617 ; IC3.1@205.613,97.917 207.721,97.917 C8.2@208.026,97.612
  other v1: 174.625,118.466 175.59,118.466 176.606,118.466
3V3-2: C23.2 C31.1 C32.1 IC1.8 IC4.8 IC4.13 IC6.5 R23.2 R26.2 | length 129.3
  Top Layer w0.305: v1(203.556,107.391) 203.556,106.959 203.855,106.66 IC4.13@204.248,106.66 ; IC4.8@206.998,107.385 206.998,107.938 208.28,109.22 R26.2@208.775,109.22
  Top Layer w0.508: IC1.8@194.358,78.867 v1(196.723,78.867) ; v1(206.959,111.633) 207.188,111.633 208.775,110.046 R26.2@208.775,109.22 ; R23.2@208.026,72.809 209.291,72.809 v1(209.55,73.068)
  Top Layer w1.016: C32.1@175.641,114.681 176.429,114.681 176.657,114.453 176.301,114.097 C31.1@177.927,114.097 178.577,114.747 IC6.5@180.491,114.747
  MID 2 w0.508: 195.682,108.204 199.034,108.204 200.939,110.109 v1(201.752,110.109) 203.556,108.306 v1(203.556,107.391)
  MID 2 w1.016: 175.641,113.665 v1(173.304,113.665) 173.228,113.665 171.196,111.633 171.196,92.583 176.53,87.249 189.738,87.249 196.723,80.264 v1(196.723,78.867) 196.723,75.336 198.991,73.068 v1(209.55,73.068) ; 177.927,114.681 182.945,114.681 185.293,112.333 185.293,109.728 186.817,108.204 195.682,108.204
  Bottom Layer w0.508: v1(201.752,110.109) 205.435,110.109 v1(206.959,111.633)
  other v1: 174.193,113.69
5V: C29.1 C36.1 D1.2 IC2.8 IC7.2 J4.1 U5.4 U5.8 U6.16 | length 81.5
  Top Layer w0.508: D1.2@183.596,102.819 183.698,102.921 v1(185.191,102.921) ; IC2.8@184.02,95.123 C36.1@186.563,95.123 v1(187.071,95.123) ; v1(194.818,113.03) 195.834,114.046 U5.4@196.513,114.046 ; U5.8@202.013,117.856 C29.1@205.816,117.856 206.172,118.212 v1(206.172,118.72)
  Top Layer w1.016: IC7.2@179.984,107.291 182.475,107.291 182.499,107.315 183.596,106.218 D1.2@183.596,102.819
  MID 1 w0.508: v1(185.191,102.921) 185.598,103.327 185.598,110.922 187.706,113.03 v1(194.818,113.03) 195.682,113.03 201.371,118.72 v1(205.105,118.72) v1(206.172,118.72)
  MID 2 w0.305: 211.813,116.586 214.63,116.586
  MID 2 w0.508: v1(185.191,102.921) 185.268,102.921 185.369,102.819 185.369,96.698 186.944,95.123 v1(187.071,95.123) ; v1(206.172,118.72) 208.305,116.586 211.813,116.586 ; 214.63,116.586 215.9,116.586 217.043,115.443 v1(217.043,113.157)
  Bottom Layer w0.305: U6.16@219.453,112.014 220.218,112.014 220.937,112.733 J4.1@220.937,115.269
  Bottom Layer w0.508: v1(217.043,113.157) 218.186,112.014 U6.16@219.453,112.014
ADC1: C10.1 R4.1 U1.14 | length 26.6
  Top Layer w0.305: U1.14@197.314,95.519 197.314,96.517 197.933,97.136 v1(198.45,97.136)
  MID 2 w0.305: v1(181.762,104.572) 182.728,105.537 187.223,105.537 193.904,98.857 197.815,98.857 198.45,98.222 v1(198.45,97.136)
  Bottom Layer w0.508: v1(181.762,104.572) 181.762,104.623 181.229,105.156 C10.1@181.229,105.74 181.458,105.97 R4.1@182.753,105.97
CLK2: J1.7 U1.34 | length 66.2
  Top Layer w0.305: U1.34@197.814,106.919 197.814,108.204 198.322,108.712 v1(201.168,108.712)
  MID 1 w0.305: v1(201.168,108.712) 201.549,109.093 204.978,109.093 205.638,108.433 210.795,108.433 v1(211.176,108.052)
  MID 2 w0.305: v1(211.176,108.052) 212.09,108.966 221.488,108.966 222.885,110.363 224.917,110.363 226.314,108.966 237.109,108.966 239.522,106.553 v1(239.522,105.664)
  Bottom Layer w0.508: v1(239.522,105.664) 251.968,93.218 J1.7@253.332,93.218
D_N: J4.2 U6.6 | length 11.5
  Bottom Layer w0.381: J4.2@221.587,115.269 221.587,108.34 224.263,105.664 U6.6@225.053,105.664
D_P: J4.3 U6.5 | length 10
  Bottom Layer w0.381: J4.3@222.237,115.269 222.237,108.96 224.263,106.934 U6.5@225.053,106.934
DAC_L: U4.5
DAC_R: U4.4